# Altium PCB LCD_Controller.PcbDoc (part 2 of 2)
Units mm, origin at the board's own origin, x right, y up, seen from the top; angles counter-clockwise.
Board outline 50 x 32.2 mm, 4 copper layers (Top Layer, Signal 1, Signal 2, Bottom Layer), stack 1.586 mm thick; 61 components, 63 nets, 378 pads, 177 vias.
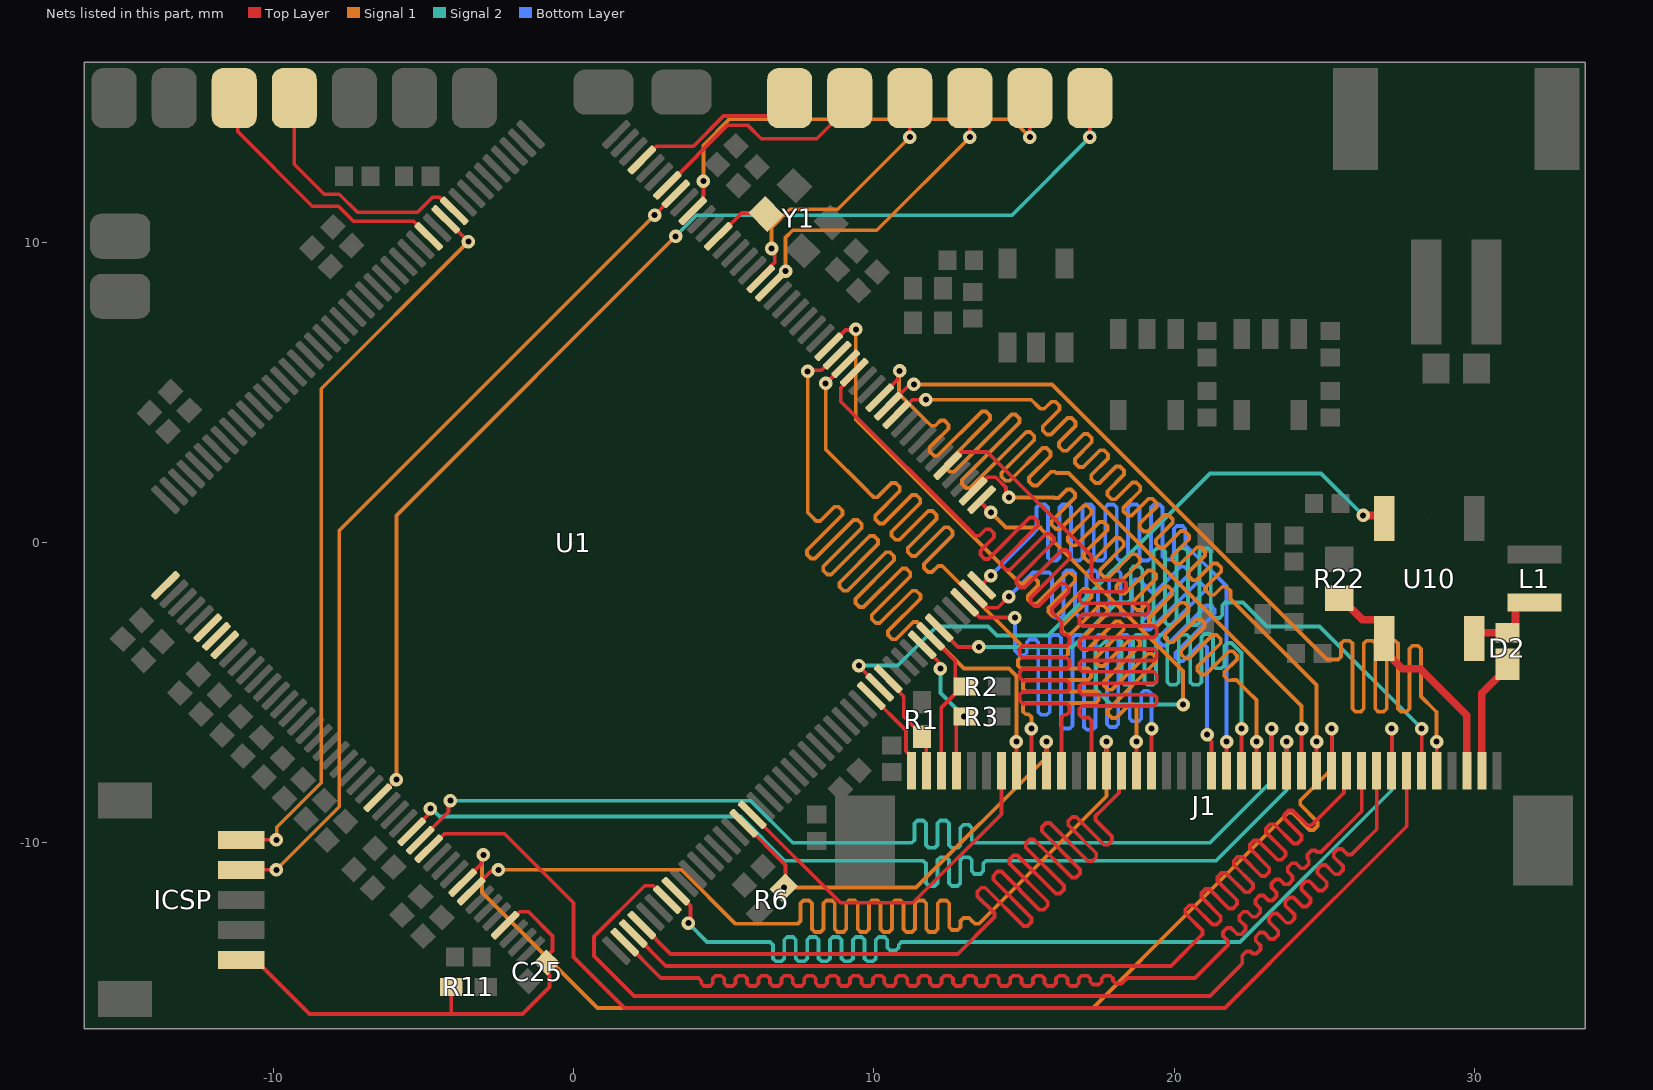
[diagram p4: the nets of this part, all layers, seen from the top]

## Via types
v1: diameter 0.45, hole 0.2, Top Layer to Bottom Layer, tented both sides, 177 vias

## Nets (pads, with @x,y where several pads share a name; then routed paths per layer and width w, separated by ;. In a path a pad name is that pad's centre, name@x,y a point inside that pad or via, vN(x,y) a via of type N, cw(c..) or ccw(c..) an arc to the next point about the centre after c; other vN are vias at no path point) (continued)
LCD.B3: J1.24 U1.130 | length 37.3
  Top Layer w0.127: U1.130@13.025,-1.994 13.531,-2.5 v1(14.7,-2.5) ; J1.24@19.25,-7.6 v1(19.25,-6.2)
  Bottom Layer w0.127: v1(14.7,-2.5) 14.7,-3.6 14.8,-3.7 14.867,-3.767 15.001,-3.767 15.097,-3.671 15.097,-3.327 15.192,-3.232 15.382,-3.232 15.478,-3.327 15.478,-5.641 15.573,-5.737 15.763,-5.737 15.859,-5.641 15.859,-3.171 15.954,-3.075 16.144,-3.075 16.24,-3.171 16.24,-6.104 16.335,-6.199 16.525,-6.199 16.621,-6.104 16.621,-3.171 16.716,-3.075 16.906,-3.075 17.002,-3.171 17.002,-6.142 17.097,-6.237 17.287,-6.237 17.383,-6.142 17.383,-3.171 17.478,-3.075 17.668,-3.075 17.764,-3.171 17.764,-6.05 17.859,-6.145 18.049,-6.145 18.145,-6.05 18.145,-3.171 18.24,-3.075 18.43,-3.075 18.526,-3.171 18.526,-5.861 18.621,-5.956 18.811,-5.956 18.907,-5.861 18.907,-5.032 19.002,-4.936 19.136,-4.936 19.2,-5 19.25,-5.05 v1(19.25,-6.2)
LCD.B4: J1.25 U1.151 | length 40
  Top Layer w0.127: U1.151@8.499,6.519 9.055,7.075 9.375,7.075 v1(9.4,7.1) ; J1.25@18.75,-7.6 v1(18.75,-6.634)
  Signal 1 w0.127: v1(9.4,7.1) 9.4,4.1 14.2,-0.7 14.245,-0.745 14.868,-1.368 15.003,-1.368 15.204,-1.168 15.339,-1.168 15.473,-1.302 15.473,-1.437 15.14,-1.77 15.14,-1.905 15.275,-2.04 15.41,-2.04 16.439,-1.01 16.574,-1.01 16.709,-1.145 16.709,-1.279 15.811,-2.177 15.811,-2.311 15.946,-2.446 16.081,-2.446 16.978,-1.549 17.113,-1.549 17.247,-1.683 17.247,-1.818 16.277,-2.788 16.277,-2.923 16.412,-3.058 16.547,-3.058 17.517,-2.088 17.652,-2.088 17.786,-2.222 17.786,-2.357 16.831,-3.313 16.831,-3.447 16.965,-3.582 17.1,-3.582 18.056,-2.626 18.19,-2.626 18.325,-2.761 18.325,-2.896 17.38,-3.841 17.38,-3.975 17.515,-4.11 17.65,-4.11 18.594,-3.165 18.729,-3.165 18.864,-3.3 18.864,-3.435 17.667,-4.632 17.667,-4.766 17.802,-4.901 17.936,-4.901 19.133,-3.704 19.268,-3.704 19.403,-3.839 19.403,-3.973 17.796,-5.58 17.796,-5.715 17.931,-5.85 18.065,-5.85 18.52,-5.395 18.655,-5.395 18.75,-5.49 18.75,-5.58 v1(18.75,-6.634)
LCD.B5: J1.26 U1.92 | length 40.8
  Top Layer w0.127: U1.92@2.277,-12.742 3.235,-13.7 12.798,-13.7 13.973,-12.524 14.018,-12.479 14.018,-12.345 13.444,-11.77 13.444,-11.635 13.578,-11.501 13.713,-11.501 14.985,-12.772 15.12,-12.772 15.254,-12.638 15.254,-12.503 13.982,-11.231 13.982,-11.096 14.117,-10.962 14.252,-10.962 15.524,-12.234 15.658,-12.234 15.793,-12.099 15.793,-11.964 14.521,-10.692 14.521,-10.558 14.656,-10.423 14.791,-10.423 16.062,-11.695 16.197,-11.695 16.332,-11.56 16.332,-11.425 15.06,-10.153 15.06,-10.019 15.195,-9.884 15.329,-9.884 16.601,-11.156 16.736,-11.156 16.871,-11.021 16.871,-10.887 15.599,-9.615 15.599,-9.48 15.734,-9.345 15.868,-9.345 17.14,-10.617 17.275,-10.617 17.41,-10.482 17.41,-10.348 16.475,-9.413 16.475,-9.278 16.61,-9.144 16.744,-9.144 17.666,-10.065 17.801,-10.065 17.935,-9.931 17.935,-9.796 17.386,-9.246 17.386,-9.112 17.599,-8.899 18.164,-8.334 J1.26@18.164,-7.5
LCD.B6: J1.27 U1.81 | length 40
  Top Layer w0.127: U1.81@-3.408,-11.611 -2.759,-10.962 -2.562,-10.962 v1(-2.5,-10.9) ; J1.27@17.75,-7.6 v1(17.75,-6.634)
  Signal 1 w0.127: v1(-2.5,-10.9) 3.6,-10.9 5.4,-12.7 7.4,-12.7 7.464,-12.7 7.559,-12.605 7.559,-12.013 7.654,-11.918 7.845,-11.918 7.94,-12.013 7.94,-12.878 8.035,-12.973 8.226,-12.973 8.321,-12.878 8.321,-12.013 8.416,-11.918 8.607,-11.918 8.702,-12.013 8.702,-12.878 8.797,-12.973 8.988,-12.973 9.083,-12.878 9.083,-12.013 9.178,-11.918 9.369,-11.918 9.464,-12.013 9.464,-12.878 9.559,-12.973 9.75,-12.973 9.845,-12.878 9.845,-12.013 9.94,-11.918 10.131,-11.918 10.226,-12.013 10.226,-12.878 10.321,-12.973 10.512,-12.973 10.607,-12.878 10.607,-12.013 10.702,-11.918 10.893,-11.918 10.988,-12.013 10.988,-12.878 11.083,-12.973 11.274,-12.973 11.369,-12.878 11.369,-12.013 11.464,-11.918 11.655,-11.918 11.75,-12.013 11.75,-12.878 11.845,-12.973 12.036,-12.973 12.131,-12.878 12.131,-12.013 12.226,-11.918 12.417,-11.918 12.512,-12.013 12.512,-12.811 12.607,-12.907 12.798,-12.907 12.893,-12.811 12.893,-12.601 12.988,-12.506 13.179,-12.506 13.274,-12.601 13.369,-12.696 13.504,-12.696 14.2,-12 17.75,-8.45 v1(17.75,-6.634)
LCD.B7: J1.28 U1.137 | length 41.9
  Top Layer w0.127: U1.137@12.459,2.56 12.483,2.56 12.942,3.02 13.78,3.02 17.25,-0.45 17.25,-1.1 17.25,-1.164 17.345,-1.259 18.301,-1.259 18.396,-1.354 18.396,-1.545 18.301,-1.64 16.942,-1.64 16.847,-1.735 16.847,-1.926 16.942,-2.021 19.063,-2.021 19.158,-2.116 19.158,-2.307 19.063,-2.402 16.942,-2.402 16.847,-2.497 16.847,-2.688 16.942,-2.783 19.328,-2.783 19.423,-2.878 19.423,-3.069 19.328,-3.164 16.942,-3.164 16.847,-3.259 16.847,-3.45 16.942,-3.545 19.328,-3.545 19.423,-3.64 19.423,-3.831 19.328,-3.926 16.942,-3.926 16.847,-4.021 16.847,-4.212 16.942,-4.307 19.328,-4.307 19.423,-4.402 19.423,-4.593 19.328,-4.688 16.942,-4.688 16.847,-4.783 16.847,-4.974 16.942,-5.069 19.328,-5.069 19.423,-5.164 19.423,-5.355 19.328,-5.45 16.942,-5.45 16.847,-5.545 16.847,-5.736 16.942,-5.831 17.155,-5.831 17.25,-5.926 17.25,-6.1 17.25,-6.2 ; 17.25,-6.2 J1.28@17.25,-7.6 17.25,-6.2
LCD.DE: J1.34 U1.105 | length 12.2
  Top Layer w0.127: U1.105@5.954,-9.065 8.889,-12 11.3,-12 14.25,-9.05 J1.34@14.25,-7.6
LCD.DISP: J1.31 R6.2 U1.104 | length 14.8
  Top Layer w0.127: U1.104@5.671,-9.348 7.06,-10.737 7.06,-11.44 v1(7.007,-11.493) ; J1.31@15.75,-7.6 v1(15.75,-6.634)
  Signal 1 w0.127: v1(7.007,-11.493) 7.7,-11.493 11.407,-11.493 15.75,-7.15 v1(15.75,-6.634)
LCD.G0: J1.13 U1.143 | length 40
  Top Layer w0.127: U1.143@10.762,4.257 10.786,4.257 11.285,4.757 v1(11.734,4.757) ; J1.13@24.75,-7.6 v1(24.75,-6.634)
  Signal 1 w0.127: v1(11.734,4.757) 15.243,4.757 15.5,4.5 15.545,4.455 15.68,4.455 15.914,4.689 16.048,4.689 16.183,4.554 16.183,4.42 15.628,3.865 15.628,3.73 15.763,3.595 15.897,3.595 16.453,4.15 16.587,4.15 16.722,4.016 16.722,3.881 16.167,3.326 16.167,3.191 16.301,3.056 16.436,3.056 16.991,3.612 17.126,3.612 17.261,3.477 17.261,3.342 16.706,2.787 16.706,2.652 16.84,2.517 16.975,2.517 17.53,3.073 17.665,3.073 17.8,2.938 17.8,2.803 17.244,2.248 17.244,2.113 17.379,1.979 17.514,1.979 18.069,2.534 18.204,2.534 18.338,2.399 18.338,2.264 17.783,1.709 17.783,1.575 17.918,1.44 18.053,1.44 18.608,1.995 18.742,1.995 18.877,1.86 18.877,1.726 18.322,1.17 18.322,1.036 18.457,0.901 18.591,0.901 19.147,1.456 19.281,1.456 19.416,1.322 19.416,1.187 18.861,0.632 18.861,0.497 18.995,0.362 19.13,0.362 19.685,0.917 19.82,0.917 19.955,0.783 19.955,0.648 19.4,0.093 19.4,-0.042 19.534,-0.177 19.669,-0.177 20.224,0.379 20.359,0.379 20.494,0.244 20.494,0.109 19.938,-0.446 19.938,-0.581 20.073,-0.715 20.208,-0.715 20.763,-0.16 20.898,-0.16 21.032,-0.295 21.032,-0.43 20.477,-0.985 20.477,-1.12 20.612,-1.254 20.747,-1.254 21.302,-0.699 21.437,-0.699 21.571,-0.834 21.571,-0.968 21.068,-1.471 21.068,-1.606 21.203,-1.741 21.338,-1.741 21.607,-1.472 21.741,-1.472 21.876,-1.607 21.876,-1.741 21.876,-1.876 22.399,-2.399 22.444,-2.444 24.75,-4.75 v1(24.75,-6.634)
LCD.G1: J1.14 U1.145 | length 40
  Top Layer w0.127: U1.145@10.197,4.822 10.8,5.426 10.8,5.654 v1(10.862,5.716) ; J1.14@24.25,-7.6 v1(24.25,-6.2)
  Signal 1 w0.127: v1(10.862,5.716) 10.844,5.698 10.844,4.956 11.7,4.1 11.745,4.055 11.913,3.887 12.048,3.887 12.219,4.059 12.354,4.059 12.489,3.924 12.489,3.789 11.862,3.162 11.862,3.027 11.996,2.893 12.131,2.893 13.601,4.362 13.735,4.362 13.87,4.227 13.87,4.093 12.4,2.623 12.4,2.489 12.535,2.354 12.67,2.354 14.585,4.269 14.719,4.269 14.854,4.134 14.854,3.999 12.939,2.084 12.939,1.95 13.074,1.815 13.209,1.815 15.077,3.683 15.212,3.683 15.347,3.549 15.347,3.414 14.258,2.325 14.258,2.191 14.392,2.056 14.527,2.056 15.616,3.145 15.751,3.145 15.885,3.01 15.885,2.875 15.174,2.164 15.174,2.029 15.309,1.894 15.443,1.894 15.907,2.358 16.042,2.358 16.087,2.313 16.487,2.313 24.25,-5.45 v1(24.25,-6.2)
LCD.G2: J1.15 U1.74 | length 37.8
  Top Layer w0.127: U1.74@-5.388,-9.631 -5.388,-9.607 -4.829,-9.048 -4.829,-8.927 v1(-4.767,-8.865) ; J1.15@23.75,-7.6 v1(23.75,-6.634)
  Signal 2 w0.127: v1(-4.767,-8.865) -4.723,-8.865 -4.463,-9.126 5.563,-9.126 7.038,-10.6 11.2,-10.6 11.645,-10.6 11.74,-10.695 11.74,-11.343 11.835,-11.438 12.026,-11.438 12.121,-11.343 12.121,-10.577 12.216,-10.482 12.407,-10.482 12.502,-10.577 12.502,-11.343 12.597,-11.438 12.788,-11.438 12.883,-11.343 12.883,-10.577 12.978,-10.482 13.169,-10.482 13.264,-10.577 13.264,-10.942 13.359,-11.037 13.55,-11.037 13.645,-10.942 13.645,-10.695 13.74,-10.6 14.3,-10.6 21.4,-10.6 23.75,-8.25 v1(23.75,-6.634)
LCD.G3: J1.16 U1.75 | length 37.8
  Top Layer w0.127: U1.75@-5.105,-9.914 -5.105,-9.909 -4.162,-8.966 -4.162,-8.662 v1(-4.1,-8.6) ; J1.16@23.25,-7.6 v1(23.25,-6.2)
  Signal 2 w0.127: v1(-4.1,-8.6) 5.9,-8.6 7.3,-10 11.2,-10 11.264,-10 11.359,-9.905 11.359,-9.351 11.454,-9.255 11.645,-9.255 11.74,-9.351 11.74,-10.073 11.835,-10.169 12.026,-10.169 12.121,-10.073 12.121,-9.351 12.216,-9.255 12.407,-9.255 12.502,-9.351 12.502,-10.073 12.597,-10.169 12.788,-10.169 12.883,-10.073 12.883,-9.498 12.978,-9.403 13.169,-9.403 13.264,-9.498 13.264,-9.905 13.359,-10 13.9,-10 21.2,-10 23.25,-7.95 v1(23.25,-6.2)
LCD.G4: J1.17 U1.134 | length 40
  Top Layer w0.127: U1.134@13.308,1.711 13.331,1.711 13.791,2.171 14.062,2.171 14.4,1.833 14.4,1.687 14.5,1.587 v1(14.5,1.5) ; J1.17@22.75,-7.6 v1(22.75,-6.634)
  Signal 1 w0.127: v1(14.5,1.5) 15.948,1.5 16,1.5 16.019,1.481 16.153,1.481 16.437,1.765 16.572,1.765 16.707,1.631 16.707,1.496 15.929,0.718 15.929,0.583 16.064,0.449 16.198,0.449 16.976,1.227 17.111,1.227 17.246,1.092 17.246,0.957 16.468,0.179 16.468,0.045 16.603,-0.09 16.737,-0.09 17.515,0.688 17.65,0.688 17.785,0.553 17.785,0.418 17.007,-0.36 17.007,-0.494 17.141,-0.629 17.276,-0.629 18.054,0.149 18.189,0.149 18.323,0.014 18.323,-0.121 17.546,-0.898 17.546,-1.033 17.68,-1.168 17.815,-1.168 18.593,-0.39 18.727,-0.39 18.862,-0.525 18.862,-0.659 18.084,-1.437 18.084,-1.572 18.219,-1.707 18.354,-1.707 19.132,-0.929 19.266,-0.929 19.401,-1.063 19.401,-1.198 18.623,-1.976 18.623,-2.111 18.758,-2.245 18.893,-2.245 19.67,-1.468 19.805,-1.468 19.94,-1.602 19.94,-1.737 19.162,-2.515 19.162,-2.649 19.297,-2.784 19.431,-2.784 20.209,-2.006 20.344,-2.006 20.479,-2.141 20.479,-2.276 19.701,-3.054 19.701,-3.188 19.835,-3.323 19.97,-3.323 20.748,-2.545 20.883,-2.545 21.017,-2.68 21.017,-2.815 20.24,-3.592 20.24,-3.727 20.374,-3.862 20.509,-3.862 21.287,-3.084 21.422,-3.084 21.556,-3.219 21.556,-3.353 20.778,-4.131 20.778,-4.266 20.913,-4.401 21.048,-4.401 21.826,-3.623 21.96,-3.623 22.095,-3.758 22.095,-3.892 21.671,-4.317 21.671,-4.451 21.805,-4.586 21.94,-4.586 21.946,-4.58 22.08,-4.58 22.374,-4.874 22.419,-4.919 22.75,-5.25 v1(22.75,-6.634)
LCD.G5: J1.18 U1.133 | length 37.9
  Top Layer w0.127: U1.133@13.591,1.428 13.571,1.409 13.571,1.329 v1(13.9,1) ; J1.18@22.25,-7.6 v1(22.25,-6.2)
  Signal 1 w0.127: v1(13.9,1) 14.4,0.5 15.55,0.5 15.55,0.476 20.3,-4.274 v1(20.3,-5.4)
  Signal 2 w0.127: v1(20.3,-5.4) 17.9,-5.4 17.4,-4.9 17.4,-3.6 17.712,-3.288 17.8,-3.2 18.156,-3.2 18.252,-3.295 18.252,-4.643 18.347,-4.739 18.537,-4.739 18.633,-4.643 18.633,-3.17 18.728,-3.075 18.918,-3.075 19.014,-3.17 19.014,-4.643 19.109,-4.739 19.299,-4.739 19.395,-4.643 19.395,-3.17 19.49,-3.075 19.68,-3.075 19.776,-3.17 19.776,-4.643 19.871,-4.739 20.061,-4.739 20.157,-4.643 20.157,-3.17 20.252,-3.075 20.442,-3.075 20.538,-3.17 20.538,-4.643 20.633,-4.739 20.823,-4.739 20.919,-4.643 20.919,-3.142 21.014,-3.046 21.204,-3.046 21.3,-3.142 21.3,-4.093 21.395,-4.188 21.585,-4.188 21.681,-4.093 21.681,-3.439 21.776,-3.344 21.91,-3.344 22.214,-3.647 22.25,-3.683 v1(22.25,-6.2)
LCD.G6: J1.19 U1.132 | length 37.3
  Top Layer w0.127: U1.132@13.591,-1.428 13.591,-1.409 v1(13.9,-1.1) ; J1.19@21.75,-7.6 v1(21.75,-6.634)
  Bottom Layer w0.127: v1(13.9,-1.1) 15.264,0.264 15.423,0.423 15.423,1.168 15.519,1.263 15.709,1.263 15.804,1.168 15.804,-0.508 15.9,-0.603 16.09,-0.603 16.185,-0.508 16.185,1.168 16.281,1.263 16.471,1.263 16.566,1.168 16.566,-0.508 16.662,-0.603 16.852,-0.603 16.947,-0.508 16.947,1.168 17.043,1.263 17.233,1.263 17.328,1.168 17.328,-0.508 17.424,-0.603 17.614,-0.603 17.709,-0.508 17.709,1.168 17.805,1.263 17.995,1.263 18.09,1.168 18.09,-0.508 18.186,-0.603 18.376,-0.603 18.471,-0.508 18.471,1.168 18.567,1.263 18.757,1.263 18.852,1.168 18.852,-0.508 18.948,-0.603 19.138,-0.603 19.233,-0.508 19.233,1.168 19.329,1.263 19.519,1.263 19.614,1.168 19.614,-0.472 19.71,-0.567 19.9,-0.567 19.995,-0.472 19.995,0.458 20.091,0.553 20.281,0.553 20.376,0.458 20.376,-0.076 20.79,-0.49 21.75,-1.45 v1(21.75,-6.634)
LCD.G7: J1.20 U1.131 | length 37.3
  Top Layer w0.127: U1.131@13.308,-1.711 13.331,-1.711 13.791,-2.171 14.129,-2.171 v1(14.5,-1.8) ; v1(21.1,-6.4) 21.1,-6.487 21.25,-6.637 J1.20@21.25,-7.6
  Bottom Layer w0.127: v1(14.5,-1.8) 15.3,-1 15.4,-1 15.845,-1 15.94,-1.095 15.94,-2.41 16.035,-2.505 16.226,-2.505 16.321,-2.41 16.321,-1.026 16.416,-0.93 16.607,-0.93 16.702,-1.026 16.702,-2.341 16.797,-2.437 16.988,-2.437 17.083,-2.341 17.083,-1.026 17.178,-0.93 17.369,-0.93 17.464,-1.026 17.464,-2.341 17.559,-2.437 17.75,-2.437 17.845,-2.341 17.845,-1.026 17.94,-0.93 18.131,-0.93 18.226,-1.026 18.226,-2.341 18.321,-2.437 18.512,-2.437 18.607,-2.341 18.607,-1.332 18.702,-1.237 18.837,-1.237 19,-1.4 19.2,-1.6 19.245,-1.645 19.38,-1.645 20.216,-0.809 20.35,-0.809 20.485,-0.944 20.485,-1.078 18.94,-2.624 18.94,-2.758 19.074,-2.893 19.209,-2.893 20.755,-1.348 20.889,-1.348 21.024,-1.482 21.024,-1.617 19.478,-3.163 19.478,-3.297 19.613,-3.432 19.748,-3.432 21.086,-2.094 21.221,-2.094 21.356,-2.228 21.356,-2.363 20.04,-3.678 20.04,-3.813 20.175,-3.948 20.31,-3.948 20.861,-3.396 20.996,-3.396 21.1,-3.5 21.1,-4.8 v1(21.1,-6.4)
LCD.HSYNC: J1.32 U1.149 | length 40
  Top Layer w0.127: v1(8.4,5.3) 8.406,5.3 9.059,5.954 U1.149@9.065,5.954 ; J1.32@15.25,-7.6 v1(15.25,-6.2)
  Signal 1 w0.127: v1(8.4,5.3) 8.4,3.1 9.787,1.713 9.832,1.668 9.99,1.51 10.124,1.51 10.595,1.981 10.73,1.981 10.864,1.846 10.864,1.711 10.052,0.899 10.052,0.764 10.187,0.63 10.321,0.63 11.278,1.586 11.413,1.586 11.547,1.451 11.547,1.317 10.591,0.36 10.591,0.226 10.726,0.091 10.86,0.091 11.817,1.047 11.951,1.047 12.086,0.912 12.086,0.778 11.13,-0.179 11.13,-0.313 11.264,-0.448 11.399,-0.448 12.355,0.508 12.49,0.508 12.625,0.374 12.625,0.239 11.669,-0.717 11.669,-0.852 11.803,-0.987 11.938,-0.987 12.145,-0.78 12.28,-0.78 12.325,-0.825 14.679,-3.179 14.936,-3.436 16.378,-3.436 16.473,-3.531 16.473,-3.721 16.378,-3.817 14.898,-3.817 14.803,-3.912 14.803,-4.102 14.898,-4.198 17.14,-4.198 17.235,-4.293 17.235,-4.483 17.14,-4.579 15.061,-4.579 14.966,-4.674 14.966,-4.864 15.061,-4.96 17.398,-4.96 17.493,-5.055 17.493,-5.245 17.398,-5.341 15.061,-5.341 14.966,-5.436 14.966,-5.626 15.061,-5.722 15.155,-5.722 15.25,-5.817 15.25,-5.88 v1(15.25,-6.2)
LCD.LED: U1.120 U10.3 | length 22
  Top Layer w0.127: v1(9.5,-4.1) 9.5,-4.113 10.197,-4.81 U1.120@10.197,-4.823
  Top Layer w0.254: v1(26.3,0.9) 26.9,0.9 U10.3@27,0.8
  Signal 2 w0.127: v1(9.5,-4.1) 10.8,-4.1 12.1,-2.8 13.8,-2.8 14.1,-3.1 15.8,-3.1 21.2,2.3 24.9,2.3 v1(26.3,0.9)
LCD.PCLK: J1.30 U1.148 | length 40.4
  Top Layer w0.127: U1.148@9.348,5.671 9.348,5.591 8.9,5.143 8.9,4.7 13.3,0.3 13.345,0.255 13.376,0.224 13.511,0.224 13.731,0.444 13.866,0.444 14.001,0.309 14.001,0.175 13.551,-0.275 13.551,-0.409 13.686,-0.544 13.821,-0.544 15.196,0.832 15.331,0.832 15.466,0.697 15.466,0.562 14.265,-0.639 14.265,-0.774 14.399,-0.909 14.534,-0.909 15.735,0.293 15.87,0.293 16.005,0.158 16.005,0.023 14.753,-1.228 14.753,-1.363 14.888,-1.497 15.023,-1.497 16.274,-0.246 16.409,-0.246 16.544,-0.381 16.544,-0.516 15.216,-1.843 15.216,-1.978 15.351,-2.113 15.485,-2.113 16.225,-1.373 16.359,-1.373 16.494,-1.508 16.494,-1.643 15.936,-2.201 15.936,-2.336 16.205,-2.605 16.25,-2.65 16.25,-2.912 16.25,-2.975 16.345,-3.071 16.424,-3.071 16.52,-3.166 16.52,-3.356 16.424,-3.452 14.957,-3.452 14.862,-3.547 14.862,-3.737 14.957,-3.833 16.424,-3.833 16.52,-3.928 16.52,-4.118 16.424,-4.214 14.957,-4.214 14.862,-4.309 14.862,-4.499 14.957,-4.595 16.424,-4.595 16.52,-4.69 16.52,-4.88 16.424,-4.976 14.957,-4.976 14.862,-5.071 14.862,-5.261 14.957,-5.357 16.424,-5.357 16.52,-5.452 16.52,-5.642 16.424,-5.738 16.345,-5.738 16.25,-5.833 16.25,-6.1 J1.30@16.25,-7.6
LCD.R0: J1.5 U1.144 | length 40
  Top Layer w0.127: U1.144@10.479,4.54 11.145,5.206 11.271,5.206 v1(11.332,5.268) ; J1.5@28.75,-7.6 v1(28.75,-6.634)
  Signal 1 w0.127: v1(11.332,5.268) 15.932,5.268 25.1,-3.9 25.4,-3.9 25.464,-3.9 25.559,-3.805 25.559,-3.367 25.654,-3.272 25.845,-3.272 25.94,-3.367 25.94,-5.538 26.035,-5.633 26.226,-5.633 26.321,-5.538 26.321,-3.367 26.416,-3.272 26.607,-3.272 26.702,-3.367 26.702,-5.538 26.797,-5.633 26.988,-5.633 27.083,-5.538 27.083,-3.367 27.178,-3.272 27.369,-3.272 27.464,-3.367 27.464,-5.538 27.559,-5.633 27.75,-5.633 27.845,-5.538 27.845,-3.536 27.94,-3.44 28.131,-3.44 28.226,-3.536 28.226,-5.126 28.702,-5.602 28.738,-5.638 28.738,-6.622 v1(28.75,-6.634)
LCD.R1: J1.6 U1.127 | length 37.8
  Top Layer w0.127: U1.127@12.176,-2.843 12.811,-3.477 v1(13.5,-3.477) ; J1.6@28.25,-7.6 v1(28.25,-6.2)
  Signal 2 w0.127: v1(13.5,-3.477) 16.623,-3.477 18.1,-2 18.4,-2 18.464,-2 18.559,-1.905 18.559,-0.899 18.654,-0.804 18.845,-0.804 18.94,-0.899 18.94,-2.653 19.035,-2.749 19.226,-2.749 19.321,-2.653 19.321,-0.289 19.416,-0.194 19.607,-0.194 19.702,-0.289 19.702,-2.653 19.797,-2.749 19.988,-2.749 20.083,-2.653 20.083,-0.289 20.178,-0.194 20.369,-0.194 20.464,-0.289 20.464,-2.653 20.559,-2.749 20.75,-2.749 20.845,-2.653 20.845,-0.289 20.94,-0.194 21.131,-0.194 21.226,-0.289 21.226,-2.421 21.321,-2.516 21.512,-2.516 21.607,-2.421 21.607,-2.095 21.702,-2 22,-2 22.3,-2 23.1,-2.8 24.85,-2.8 v1(28.25,-6.2)
LCD.R2: J1.7 U1.76 | length 40.6
  Top Layer w0.127: U1.76@-4.822,-10.197 -4.799,-10.197 -4.303,-9.7 -2.3,-9.7 0,-12 0,-13.8 1.7,-15.5 21.7,-15.5 24.75,-12.45 26.05,-11.15 27.75,-9.45 J1.7@27.75,-7.6
LCD.R3: J1.8 U1.96 | length 37.9
  Top Layer w0.127: U1.96@3.408,-11.611 3.9,-12.102 3.9,-12.513 3.822,-12.59 v1(3.822,-12.678) ; J1.8@27.25,-7.6 v1(27.25,-6.2)
  Signal 2 w0.127: v1(3.822,-12.678) 4.445,-13.3 6.1,-13.3 6.545,-13.3 6.64,-13.395 6.64,-13.85 6.735,-13.945 6.926,-13.945 7.021,-13.85 7.021,-13.231 7.116,-13.135 7.307,-13.135 7.402,-13.231 7.402,-13.85 7.497,-13.945 7.688,-13.945 7.783,-13.85 7.783,-13.231 7.878,-13.135 8.069,-13.135 8.164,-13.231 8.164,-13.85 8.259,-13.945 8.45,-13.945 8.545,-13.85 8.545,-13.231 8.64,-13.135 8.831,-13.135 8.926,-13.231 8.926,-13.85 9.021,-13.945 9.212,-13.945 9.307,-13.85 9.307,-13.231 9.402,-13.135 9.593,-13.135 9.688,-13.231 9.688,-13.85 9.783,-13.945 9.974,-13.945 10.069,-13.85 10.069,-13.231 10.164,-13.135 10.355,-13.135 10.45,-13.231 10.45,-13.484 10.545,-13.579 10.736,-13.579 10.831,-13.484 10.831,-13.395 10.926,-13.3 16.5,-13.3 22.2,-13.3 27.25,-8.25 v1(27.25,-6.2)
LCD.R4: J1.9 U1.95 | length 40.7
  Top Layer w0.127: U1.95@3.125,-11.894 3.102,-11.894 2.642,-11.434 2.371,-11.434 0.686,-13.119 0.686,-13.776 2.009,-15.1 21.2,-15.1 22.15,-14.15 22.273,-14.027 22.273,-13.892 22.273,-13.757 22.408,-13.623 22.543,-13.623 22.61,-13.69 22.745,-13.69 22.879,-13.555 22.879,-13.421 22.722,-13.263 22.722,-13.128 22.856,-12.993 22.991,-12.993 23.2,-13.203 23.335,-13.203 23.47,-13.068 23.47,-12.933 23.167,-12.63 23.167,-12.496 23.302,-12.361 23.436,-12.361 23.739,-12.664 23.874,-12.664 24.009,-12.529 24.009,-12.394 23.706,-12.091 23.706,-11.957 23.84,-11.822 23.975,-11.822 24.278,-12.125 24.413,-12.125 24.547,-11.99 24.547,-11.856 24.244,-11.553 24.244,-11.418 24.379,-11.283 24.514,-11.283 24.817,-11.586 24.951,-11.586 25.086,-11.451 25.086,-11.317 24.783,-11.014 24.783,-10.879 24.918,-10.744 25.053,-10.744 25.356,-11.047 25.49,-11.047 25.625,-10.913 25.625,-10.778 25.322,-10.475 25.322,-10.34 25.457,-10.206 25.592,-10.206 25.776,-10.39 25.91,-10.39 26.225,-10.075 26.75,-9.55 J1.9@26.75,-7.6
LCD.R5: J1.10 U1.90 | length 40.7
  Top Layer w0.127: U1.90@1.711,-13.308 2.903,-14.5 3.716,-14.5 4.16,-14.5 4.256,-14.595 4.256,-14.678 4.351,-14.773 4.541,-14.773 4.637,-14.678 4.637,-14.522 4.732,-14.427 4.922,-14.427 5.018,-14.522 5.018,-14.678 5.113,-14.773 5.303,-14.773 5.399,-14.678 5.399,-14.522 5.494,-14.427 5.684,-14.427 5.78,-14.522 5.78,-14.678 5.875,-14.773 6.065,-14.773 6.161,-14.678 6.161,-14.522 6.256,-14.427 6.446,-14.427 6.542,-14.522 6.542,-14.678 6.637,-14.773 6.827,-14.773 6.923,-14.678 6.923,-14.522 7.018,-14.427 7.208,-14.427 7.304,-14.522 7.304,-14.678 7.399,-14.773 7.589,-14.773 7.685,-14.678 7.685,-14.522 7.78,-14.427 7.97,-14.427 8.066,-14.522 8.066,-14.678 8.161,-14.773 8.351,-14.773 8.447,-14.678 8.447,-14.522 8.542,-14.427 8.732,-14.427 8.828,-14.522 8.828,-14.678 8.923,-14.773 9.113,-14.773 9.209,-14.678 9.209,-14.522 9.304,-14.427 9.494,-14.427 9.59,-14.522 9.59,-14.678 9.685,-14.773 9.875,-14.773 9.971,-14.678 9.971,-14.522 10.066,-14.427 10.256,-14.427 10.352,-14.522 10.352,-14.678 10.447,-14.773 10.637,-14.773 10.733,-14.678 10.733,-14.522 10.828,-14.427 11.018,-14.427 11.114,-14.522 11.114,-14.678 11.209,-14.773 11.399,-14.773 11.495,-14.678 11.495,-14.522 11.59,-14.427 11.78,-14.427 11.876,-14.522 11.876,-14.678 11.971,-14.773 12.161,-14.773 12.257,-14.678 12.257,-14.522 12.352,-14.427 12.542,-14.427 12.638,-14.522 12.638,-14.678 12.733,-14.773 12.923,-14.773 13.019,-14.678 13.019,-14.522 13.114,-14.427 13.304,-14.427 13.4,-14.522 13.4,-14.678 13.495,-14.773 13.685,-14.773 13.781,-14.678 13.781,-14.522 13.876,-14.427 14.066,-14.427 14.162,-14.522 14.162,-14.678 14.257,-14.773 14.447,-14.773 14.543,-14.678 14.543,-14.522 14.638,-14.427 14.828,-14.427 14.924,-14.522 14.924,-14.678 15.019,-14.773 15.209,-14.773 15.305,-14.678 15.305,-14.522 15.4,-14.427 15.59,-14.427 15.686,-14.522 15.686,-14.678 15.781,-14.773 15.971,-14.773 16.067,-14.678 16.067,-14.522 16.162,-14.427 16.352,-14.427 16.448,-14.522 16.448,-14.678 16.543,-14.773 16.733,-14.773 16.829,-14.678 16.829,-14.522 16.924,-14.427 17.114,-14.427 17.21,-14.522 17.21,-14.63 17.305,-14.725 17.495,-14.725 17.591,-14.63 17.591,-14.522 17.686,-14.427 17.876,-14.427 17.972,-14.522 17.972,-14.595 18.067,-14.691 18.257,-14.691 18.353,-14.595 18.448,-14.5 18.733,-14.5 20.7,-14.5 21.75,-13.45 21.795,-13.405 21.795,-13.27 21.633,-13.108 21.633,-12.974 21.767,-12.839 21.902,-12.839 22.108,-13.045 22.243,-13.045 22.378,-12.91 22.378,-12.775 22.172,-12.569 22.172,-12.435 22.306,-12.3 22.441,-12.3 22.603,-12.462 22.738,-12.462 22.873,-12.327 22.873,-12.193 22.71,-12.031 22.71,-11.896 22.845,-11.761 22.98,-11.761 23.142,-11.923 23.277,-11.923 23.411,-11.789 23.411,-11.654 23.249,-11.492 23.249,-11.357 23.384,-11.222 23.519,-11.222 23.681,-11.385 23.815,-11.385 23.95,-11.25 23.95,-11.115 23.788,-10.953 23.788,-10.818 23.923,-10.684 24.057,-10.684 24.22,-10.846 24.354,-10.846 24.489,-10.711 24.489,-10.576 24.443,-10.531 24.443,-10.396 24.578,-10.261 24.713,-10.261 24.758,-10.307 24.893,-10.307 25.468,-9.732 26.25,-8.95 J1.10@26.25,-7.6
LCD.R6: J1.11 U1.91 | length 40.7
  Top Layer w0.127: U1.91@1.994,-13.025 3.069,-14.1 19.898,-14.1 20.899,-13.099 20.944,-13.054 20.944,-12.919 20.373,-12.349 20.373,-12.214 20.508,-12.079 20.643,-12.079 21.286,-12.723 21.421,-12.723 21.556,-12.588 21.556,-12.453 20.912,-11.81 20.912,-11.675 21.047,-11.54 21.181,-11.54 21.825,-12.184 21.96,-12.184 22.094,-12.049 22.094,-11.915 21.451,-11.271 21.451,-11.136 21.586,-11.002 21.72,-11.002 22.364,-11.645 22.499,-11.645 22.633,-11.511 22.633,-11.376 21.99,-10.732 21.99,-10.597 22.124,-10.463 22.259,-10.463 22.903,-11.106 23.037,-11.106 23.172,-10.972 23.172,-10.837 22.528,-10.193 22.528,-10.059 22.663,-9.924 22.798,-9.924 23.442,-10.568 23.576,-10.568 23.711,-10.433 23.711,-10.298 23.067,-9.655 23.067,-9.52 23.202,-9.385 23.337,-9.385 23.98,-10.029 24.115,-10.029 24.25,-9.894 24.25,-9.759 23.68,-9.19 23.68,-9.055 23.815,-8.921 23.95,-8.921 24.446,-9.417 24.581,-9.417 25.049,-8.949 25.664,-8.334 25.664,-7.687 J1.11@25.75,-7.6
LCD.R7: J1.12 U1.80 | length 40.2
  Top Layer w0.127: U1.80@-3.691,-11.328 -3.062,-10.699 -3.062,-10.462 v1(-3,-10.4) ; J1.12@25.25,-7.6 v1(25.25,-6.2)
  Signal 1 w0.127: v1(-3,-10.4) -3.047,-10.447 -3.047,-11.653 0.8,-15.5 17.3,-15.5 20.55,-12.25 23.801,-8.999 23.936,-8.999 24.51,-9.574 24.645,-9.574 24.78,-9.439 24.78,-9.304 24.205,-8.73 24.205,-8.595 24.25,-8.55 25.25,-7.55 v1(25.25,-6.2)
LCD.VSYNC: J1.33 U1.150 | length 40
  Top Layer w0.127: v1(7.8,5.7) 7.837,5.737 8.259,5.737 8.759,6.237 U1.150@8.782,6.237 ; J1.33@14.75,-7.6 v1(14.75,-6.634)
  Signal 1 w0.127: v1(7.8,5.7) 7.8,1 8,0.8 8.045,0.755 8.081,0.719 8.216,0.719 8.691,1.193 8.826,1.193 8.96,1.059 8.96,0.924 7.776,-0.26 7.776,-0.395 7.911,-0.53 8.045,-0.53 9.33,0.755 9.464,0.755 9.599,0.62 9.599,0.485 8.315,-0.799 8.315,-0.934 8.45,-1.068 8.584,-1.068 9.868,0.216 10.003,0.216 10.138,0.081 10.138,-0.054 8.854,-1.338 8.854,-1.473 8.988,-1.607 9.123,-1.607 10.407,-0.323 10.542,-0.323 10.677,-0.458 10.677,-0.592 9.392,-1.877 9.392,-2.011 9.527,-2.146 9.662,-2.146 10.946,-0.862 11.081,-0.862 11.215,-0.997 11.215,-1.131 9.931,-2.415 9.931,-2.55 10.066,-2.685 10.201,-2.685 11.282,-1.604 11.416,-1.604 11.551,-1.739 11.551,-1.873 10.473,-2.951 10.473,-3.086 10.608,-3.22 10.743,-3.22 11.314,-2.649 11.449,-2.649 11.494,-2.694 13,-4.2 14.5,-4.2 14.75,-4.45 v1(14.75,-6.634)
LCD_TS.INT: J1.40 U1.119 | length 3
  Top Layer w0.127: U1.119@9.914,-5.105 11.072,-6.264 11.072,-6.947 11.25,-7.125 J1.40@11.25,-7.6
LCD_TS.RST: J1.39 R1.2 U1.121 | length 3.6
  Top Layer w0.127: U1.121@10.479,-4.54 10.479,-4.609 11,-5.13 11,-5.8 11.6,-6.4 R1.2@11.6,-6.475 11.75,-6.625 J1.39@11.75,-7.6
LCD_TS.SCL: J1.38 R2.2 U1.126 | length 5.3
  Top Layer w0.127: U1.126@11.894,-3.125 12.714,-3.945 12.714,-4.564 R2.2@12.95,-4.8 ; J1.38@12.25,-7.6 12.25,-5.5 R2.2@12.95,-4.8 ; R2.2@13.025,-4.8 R2.2@12.95,-4.8
LCD_TS.SDA: J1.37 R3.2 U1.125 | length 4.9
  Top Layer w0.127: U1.125@11.611,-3.408 11.611,-3.426 12.157,-3.973 12.157,-4.138 v1(12.219,-4.2) ; J1.37@12.75,-7.6 12.75,-6.037 12.987,-5.8 v1(13.006,-5.8) R3.2@13.025,-5.8
  Signal 2 w0.127: v1(12.219,-4.2) 12.219,-5.013 v1(13.006,-5.8)
LED+: D2.1 J1.2 | length 3.9
  Top Layer w0.254: J1.2@30.25,-7.6 30.25,-5.025 31.1,-4.175 D2.1@31.1,-4.05
LED-: J1.3 R22.1 U10.4 | length 8.2
  Top Layer w0.254: R22.1@25.5,-1.85 25.55,-1.85 26.277,-2.577 26.787,-2.577 27,-2.79 27,-3.61 27.213,-3.823 27.223,-3.823 27.6,-4.2 28.2,-4.2 29.75,-5.75 J1.3@29.75,-7.6
MCLR: C25.1 ICSP.1 R11.1 U1.85 | length 16.2
  Top Layer w0.127: ICSP.1@-11.068,-13.9 -10.593,-13.9 -8.793,-15.7 -4.1,-15.7 ; R11.1@-4.075,-14.8 -4.075,-15.675 -4.1,-15.7 ; U1.85@-2.277,-12.742 -2.229,-12.742 -1.787,-12.3 -1.5,-12.3 -0.7,-13.1 -0.7,-13.589 -0.889,-13.778 -0.889,-14.323 -0.8,-14.412 -0.8,-14.8 -1.7,-15.7 -4.1,-15.7
NetD2_2: D2.2 L1.2 U10.5 | length 2.9
  Top Layer w0.254: U10.5@30,-3.2 30.2,-3 D2.2@31.1,-3 31.175,-3 31.373,-2.802 31.373,-2.173 31.546,-2 L1.2@32,-2
OSC: U1.164 Y1.3 | length 1.9
  Top Layer w0.127: U1.164@4.822,10.196 5.603,10.977 6.383,10.977 Y1.3@6.418,10.941
PGC: ICSP.5 U1.11 | length 24.8
  Top Layer w0.127: ICSP.5@-11.068,-9.9 v1(-9.9,-9.9) ; U1.11@-4.257,10.762 -4.249,10.762 -3.508,10.021 v1(-3.5,10.021)
  Signal 1 w0.127: v1(-9.9,-9.9) -9.884,-9.884 -9.884,-9.484 -8.4,-8 -8.4,5.121 v1(-3.5,10.021)
PGD: ICSP.4 U1.169 | length 29.2
  Top Layer w0.127: ICSP.4@-11.068,-10.9 v1(-9.9,-10.9) ; v1(2.7,10.9) U1.169@3.408,11.609
  Signal 1 w0.127: v1(-9.9,-10.9) -7.8,-8.8 -7.8,0.4 v1(2.7,10.9)
RB7: pad.11 U1.170 | length 7.8
  Top Layer w0.127: U1.170@3.125,11.894 5.132,13.9 5.8,13.9 6.25,13.45 8.1,13.45 9.2,14.55 pad.11@9.2,14.8
RB9: pad.10 U1.173 | length 5.8
  Top Layer w0.127: U1.173@2.277,12.742 2.309,12.742 2.767,13.2 4,13.2 5,14.2 6.6,14.2 pad.10@7.2,14.8
SCK3: pad.12 U1.159 | length 9.1
  Top Layer w0.127: U1.159@6.237,8.782 6.237,8.862 6.7,9.325 6.7,9.601 6.596,9.705 v1(6.596,9.792) ; v1(11.2,13.5) pad.12@11.2,14.8
  Signal 1 w0.127: v1(6.596,9.792) 6.596,10.496 7.2,11.1 8.8,11.1 v1(11.2,13.5)
SDI3: pad.13 U1.158 | length 10.8
  Top Layer w0.127: U1.158@6.52,8.499 v1(7.061,9.04) v1@7.16,9.04 ; v1(13.2,13.5) pad.13@13.2,14.8
  Signal 1 w0.127: v1(7.061,9.04) 7.061,10.161 7.3,10.4 10.1,10.4 v1(13.2,13.5)
SDO3: pad.14 U1.167 | length 15.1
  Top Layer w0.127: U1.167@3.974,11.045 4.31,11.381 4.31,11.561 4.324,11.576 v1(4.324,12.034) v1@4.3,12.01 ; v1(15.2,13.5) pad.14@15.2,14.8
  Signal 1 w0.127: v1(4.324,12.034) 4.324,13.224 5.2,14.1 14.6,14.1 v1(15.2,13.5)
SS3: pad.15 U1.70 | length 39.5
  Top Layer w0.127: U1.70@-6.519,-8.499 -6.509,-8.499 -5.91,-7.9 v1(-5.9,-7.9) ; v1(17.2,13.5) pad.15@17.2,14.8
  Signal 1 w0.127: v1(-5.9,-7.9) -5.9,0.9 v1(3.4,10.2)
  Signal 2 w0.127: v1(3.4,10.2) 4.1,10.9 14.6,10.9 v1@17.32,13.62
USB.D_N: U1.50
USB.D_P: U1.51
USB.ID: U1.52
USB.VBUS: U1.45
XBEE.DIN: pad.3 U1.13 | length 9
  Top Layer w0.127: pad.3@-11.3,14.8 -11.184,14.684 -11.184,13.684 -8.7,11.2 -7.833,11.2 -7.333,10.7 -5.326,10.7 U1.13@-4.822,10.196
XBEE.DOUT: pad.4 U1.10 | length 8.6
  Top Layer w0.127: pad.4@-9.3,14.8 -9.3,12.6 -8.3,11.6 -7.8,11.6 -7.2,11 -5.2,11 -4.7,11.5 -4.464,11.5 -4.009,11.045 U1.10@-3.974,11.045
pads on no net: ICSP.M J1.35 J2.M U1.1 U1.2 U1.8 U1.9 U1.12 U1.14 U1.15 U1.16 U1.17 U1.20 U1.23 U1.24 U1.25 U1.26 U1.27 U1.28 U1.30 U1.31 U1.32 U1.33 U1.34 U1.35 U1.36 U1.40 U1.41 U1.42 U1.43 U1.44 U1.53 U1.54 U1.55 U1.56 U1.64 U1.65 U1.66 U1.69 U1.71 U1.73 U1.77 U1.79 U1.82 U1.88 U1.93 U1.98 U1.99 U1.100 U1.101 U1.106 U1.107 U1.108 U1.109 U1.110 U1.111 U1.112 U1.113 U1.114 U1.118 U1.135 U1.136 U1.138 U1.139 U1.140 U1.141 U1.142 U1.147 U1.152 U1.157 U1.160 U1.161 U1.162 U1.163 U1.168 U1.171 U1.174 U1.176 U4.4 U5_1.4 U5_2.4 U7.4 Y1.1

## Polygon pours and split planes (outlines as drawn)
GND on Bottom Layer "NONET_L03_P-001" (solid, pour order 9): -16.3,16 -16.3,-16.2 33.7,-16.2 33.7,16
GND on Top Layer "NONET_L03_P-001" (solid, pour order 6): -16.3,15.9 -16.3,-16.2 33.7,-16.2 33.7,15.9
1V8 on Signal 1 "NONET_L03_P-001" (solid, pour order 10): -16.3,16 -16.3,-16.1 33.7,-16.1 33.7,16
5V on Signal 2 "NONET_L03_P-001" (solid, pour order 11): -16.3,16 -16.3,-16.1 33.7,-16.1 33.7,16

## Other copper
Bottom Layer:
  pour cut-out: 13,-0.3 15.2,1.9 20.1,1.9 22.8,-0.8 22.8,-7 22.3,-7.5 14.6,-7.5 14.1,-7 14.1,-2.9 13,-1.8

## Silkscreen, mask and mechanical layers (free items; w line width, h text height)
Top Overlay:
  text "GND" at -1.566,14.75 h0.5
  text "5V" at 3.483,13.55 h0.5
  text "AN3" at -4.366,13.15 h0.5
  text "AN2" at -6.166,13.05 h0.5
  text "RB9" at 6.534,13.05 h0.5
  text "RB7" at 8.634,13.05 h0.5
  text "SCK" at 10.534,13.05 h0.5
  text "SDI" at 12.617,13.05 h0.5
  text "SDO" at 14.534,13.05 h0.5
  text "SS" at 16.783,13.05 h0.5
  text "GND" at -15.96,13.02 h0.5
  text "5V" at -13.71,13.02 h0.5
  text "TX" at -11.71,13.02 h0.5
  text "RX" at -9.71,13.02 h0.5
  text "AN1" at -7.877,13.02 h0.5
  text "GND" at -13.866,9.95 h0.5
  text "5V" at -13.817,7.95 h0.5
  text "_" at 32.346,7.608 h1.52
  text "+" at 26.454,6.6 h1.52
  text "ICSP" at -15.75,-7.75 h1
Board:
  the board outline again, w0.254
Dimensions:
  lines w0.254: -52.5,-50.7 52.5,-50.7 52.5,16.3 -52.5,16.3 -52.5,-50.7

## Dimensions
33.7,-16.2 to -16.3,-16.2 on Dimensions
-16.3,-16.2 to -16.3,16 on Dimensions